# KiCad board SuperClockMatrix.kicad_pcb
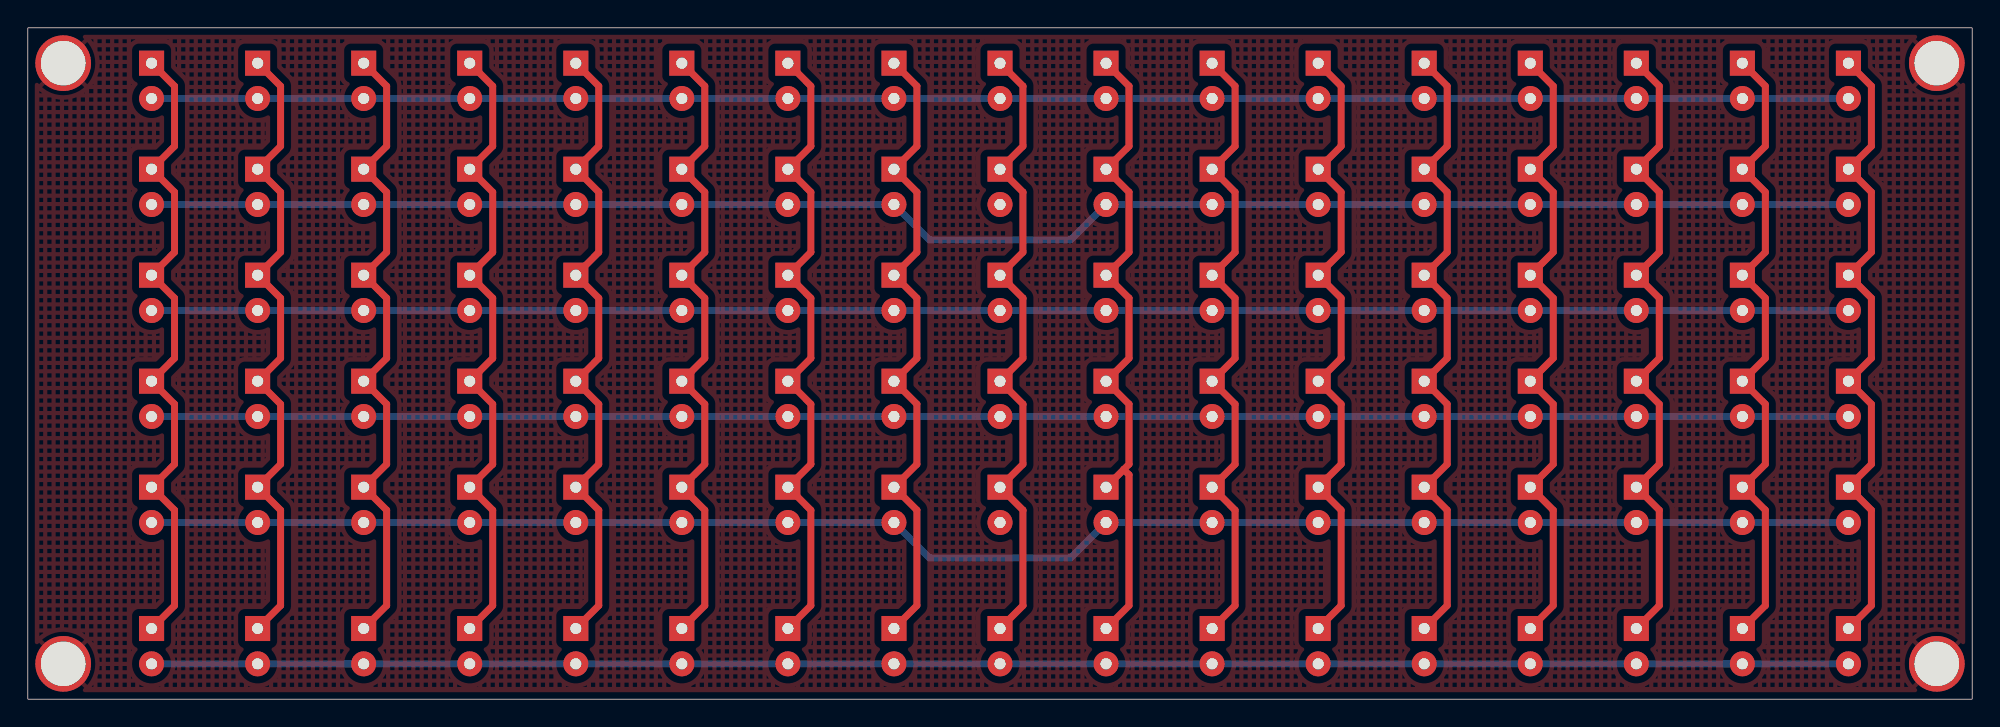
[diagram p0: board, top side]
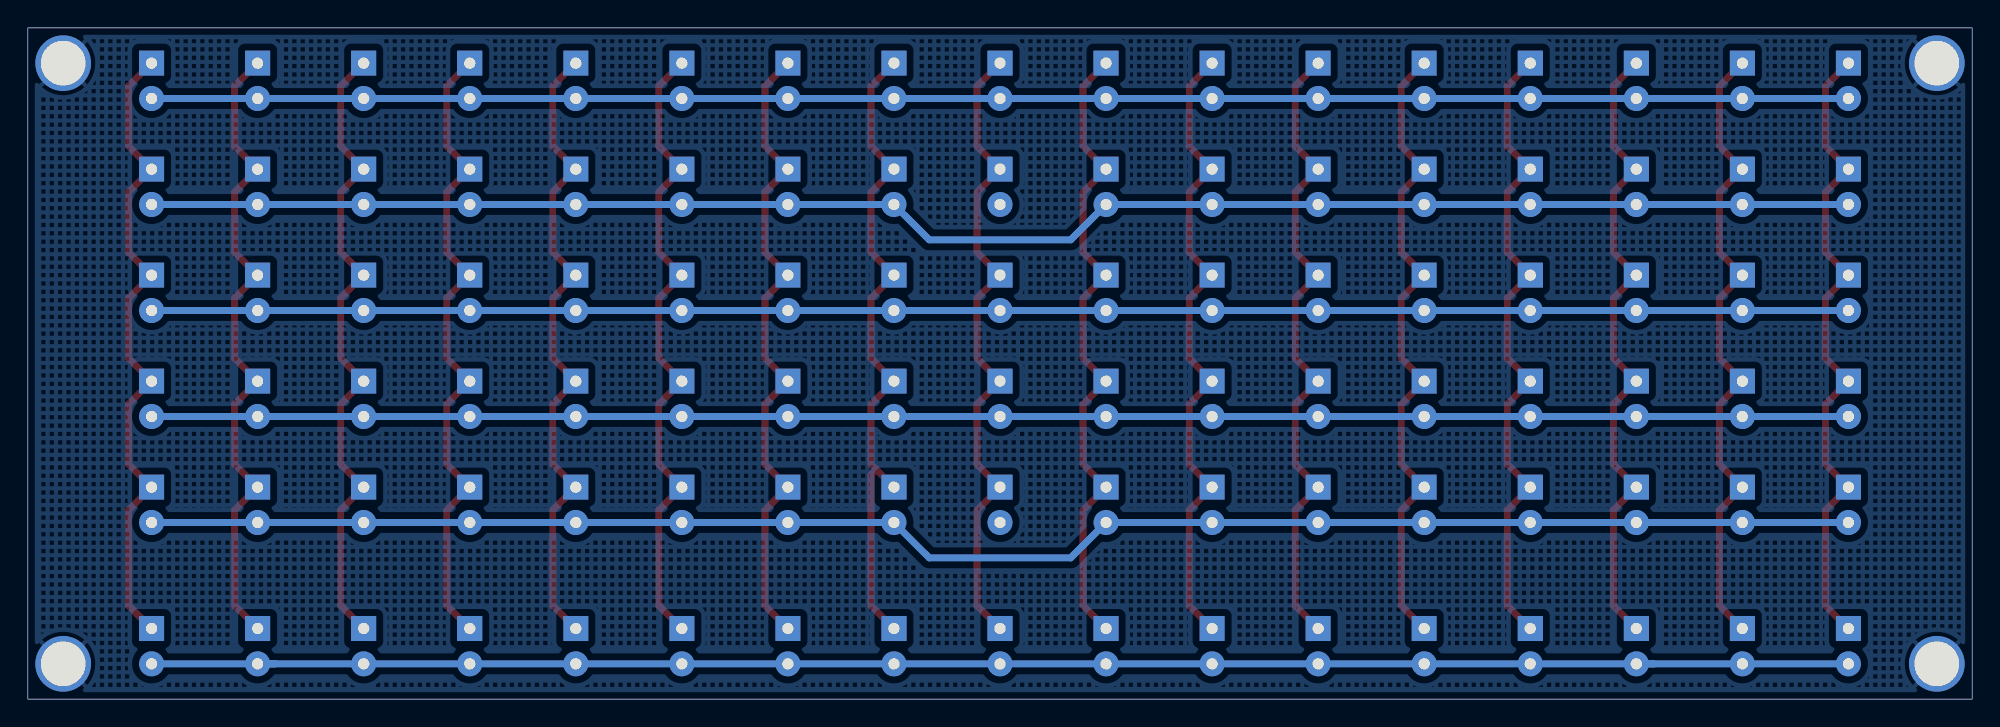
[diagram p1: board, bottom side, seen from below]

Outline 139.7 x 48.26 mm; copper layers: Top, Bottom. Coordinates in mm from the lower left corner of the outline.
Outline path: rectangle 0,48.26 139.7,0

## Placement (name value [footprint] x y rotation side)
D1  LED  [LED_D5.0mm_no_silkscreen_red]  8.89 45.72 270 top
D2  LED  [LED_D5.0mm_no_silkscreen_red]  8.89 38.1 270 top
D3  LED  [LED_D5.0mm_no_silkscreen_red]  8.89 30.48 270 top
D4  LED  [LED_D5.0mm_no_silkscreen_red]  8.89 22.86 270 top
D5  LED  [LED_D5.0mm_no_silkscreen_red]  8.89 15.24 270 top
D6  LED  [LED_D5.0mm_no_silkscreen_green]  8.89 5.08 270 top
D7  LED  [LED_D5.0mm_no_silkscreen_red]  16.51 45.72 270 top
D8  LED  [LED_D5.0mm_no_silkscreen_red]  16.51 38.1 270 top
D9  LED  [LED_D5.0mm_no_silkscreen_red]  16.51 30.48 270 top
D10  LED  [LED_D5.0mm_no_silkscreen_red]  16.51 22.86 270 top
D11  LED  [LED_D5.0mm_no_silkscreen_red]  16.51 15.24 270 top
D12  LED  [LED_D5.0mm_no_silkscreen_green]  16.51 5.08 270 top
D13  LED  [LED_D5.0mm_no_silkscreen_red]  24.13 45.72 270 top
D14  LED  [LED_D5.0mm_no_silkscreen_red]  24.13 38.1 270 top
D15  LED  [LED_D5.0mm_no_silkscreen_red]  24.13 30.48 270 top
D16  LED  [LED_D5.0mm_no_silkscreen_red]  24.13 22.86 270 top
D17  LED  [LED_D5.0mm_no_silkscreen_red]  24.13 15.24 270 top
D18  LED  [LED_D5.0mm_no_silkscreen_green]  24.13 5.08 270 top
D19  LED  [LED_D5.0mm_no_silkscreen_red]  31.75 45.72 270 top
D20  LED  [LED_D5.0mm_no_silkscreen_red]  31.75 38.1 270 top
D21  LED  [LED_D5.0mm_no_silkscreen_red]  31.75 30.48 270 top
D22  LED  [LED_D5.0mm_no_silkscreen_red]  31.75 22.86 270 top
D23  LED  [LED_D5.0mm_no_silkscreen_red]  31.75 15.24 270 top
D24  LED  [LED_D5.0mm_no_silkscreen_green]  31.75 5.08 270 top
D25  LED  [LED_D5.0mm_no_silkscreen_red]  39.37 45.72 270 top
D26  LED  [LED_D5.0mm_no_silkscreen_red]  39.37 38.1 270 top
D27  LED  [LED_D5.0mm_no_silkscreen_red]  39.37 30.48 270 top
D28  LED  [LED_D5.0mm_no_silkscreen_red]  39.37 22.86 270 top
D29  LED  [LED_D5.0mm_no_silkscreen_red]  39.37 15.24 270 top
D30  LED  [LED_D5.0mm_no_silkscreen_green]  39.37 5.08 270 top
D31  LED  [LED_D5.0mm_no_silkscreen_red]  46.99 45.72 270 top
D32  LED  [LED_D5.0mm_no_silkscreen_red]  46.99 38.1 270 top
D33  LED  [LED_D5.0mm_no_silkscreen_red]  46.99 30.48 270 top
D34  LED  [LED_D5.0mm_no_silkscreen_red]  46.99 22.86 270 top
D35  LED  [LED_D5.0mm_no_silkscreen_red]  46.99 15.24 270 top
D36  LED  [LED_D5.0mm_no_silkscreen_green]  46.99 5.08 270 top
D37  LED  [LED_D5.0mm_no_silkscreen_red]  54.61 45.72 270 top
D38  LED  [LED_D5.0mm_no_silkscreen_red]  54.61 38.1 270 top
D39  LED  [LED_D5.0mm_no_silkscreen_red]  54.61 30.48 270 top
D40  LED  [LED_D5.0mm_no_silkscreen_red]  54.61 22.86 270 top
D41  LED  [LED_D5.0mm_no_silkscreen_red]  54.61 15.24 270 top
D42  LED  [LED_D5.0mm_no_silkscreen_green]  54.61 5.08 270 top
D43  LED  [LED_D5.0mm_no_silkscreen_red]  62.23 22.86 270 top
D44  LED  [LED_D5.0mm_no_silkscreen_red]  62.23 15.24 270 top
D45  LED  [LED_D5.0mm_no_silkscreen_green]  62.23 5.08 270 top
D46  LED  [LED_D5.0mm_no_silkscreen_red]  62.23 45.72 270 top
D47  LED  [LED_D5.0mm_no_silkscreen_red]  62.23 38.1 270 top
D48  LED  [LED_D5.0mm_no_silkscreen_red]  62.23 30.48 270 top
D49  LED  [LED_D5.0mm_no_silkscreen_red]  69.85 45.72 270 top
D50  LED  [LED_D5.0mm_no_silkscreen_yellow]  69.85 38.1 270 top
D51  LED  [LED_D5.0mm_no_silkscreen_red]  69.85 30.48 270 top
D52  LED  [LED_D5.0mm_no_silkscreen_red]  69.85 22.86 270 top
D53  LED  [LED_D5.0mm_no_silkscreen_yellow]  69.85 15.24 270 top
D54  LED  [LED_D5.0mm_no_silkscreen_green]  69.85 5.08 270 top
D55  LED  [LED_D5.0mm_no_silkscreen_red]  77.47 15.24 270 top
D56  LED  [LED_D5.0mm_no_silkscreen_green]  77.47 5.08 270 top
D57  LED  [LED_D5.0mm_no_silkscreen_red]  77.47 22.86 270 top
D58  LED  [LED_D5.0mm_no_silkscreen_red]  77.47 45.72 270 top
D59  LED  [LED_D5.0mm_no_silkscreen_red]  77.47 38.1 270 top
D60  LED  [LED_D5.0mm_no_silkscreen_red]  77.47 30.48 270 top
D61  LED  [LED_D5.0mm_no_silkscreen_red]  85.09 45.72 270 top
D62  LED  [LED_D5.0mm_no_silkscreen_red]  85.09 38.1 270 top
D63  LED  [LED_D5.0mm_no_silkscreen_red]  85.09 30.48 270 top
D64  LED  [LED_D5.0mm_no_silkscreen_red]  85.09 22.86 270 top
D65  LED  [LED_D5.0mm_no_silkscreen_red]  85.09 15.24 270 top
D66  LED  [LED_D5.0mm_no_silkscreen_green]  85.09 5.08 270 top
D67  LED  [LED_D5.0mm_no_silkscreen_red]  92.71 45.72 270 top
D68  LED  [LED_D5.0mm_no_silkscreen_red]  92.71 38.1 270 top
D69  LED  [LED_D5.0mm_no_silkscreen_red]  92.71 30.48 270 top
D70  LED  [LED_D5.0mm_no_silkscreen_red]  92.71 22.86 270 top
D71  LED  [LED_D5.0mm_no_silkscreen_red]  92.71 15.24 270 top
D72  LED  [LED_D5.0mm_no_silkscreen_green]  92.71 5.08 270 top
D73  LED  [LED_D5.0mm_no_silkscreen_red]  100.33 45.72 270 top
D74  LED  [LED_D5.0mm_no_silkscreen_red]  100.33 38.1 270 top
D75  LED  [LED_D5.0mm_no_silkscreen_red]  100.33 30.48 270 top
D76  LED  [LED_D5.0mm_no_silkscreen_red]  100.33 22.86 270 top
D77  LED  [LED_D5.0mm_no_silkscreen_red]  100.33 15.24 270 top
D78  LED  [LED_D5.0mm_no_silkscreen_green]  100.33 5.08 270 top
D79  LED  [LED_D5.0mm_no_silkscreen_red]  107.95 45.72 270 top
D80  LED  [LED_D5.0mm_no_silkscreen_red]  107.95 38.1 270 top
D81  LED  [LED_D5.0mm_no_silkscreen_red]  107.95 30.48 270 top
D82  LED  [LED_D5.0mm_no_silkscreen_red]  107.95 22.86 270 top
D83  LED  [LED_D5.0mm_no_silkscreen_red]  107.95 15.24 270 top
D84  LED  [LED_D5.0mm_no_silkscreen_green]  107.95 5.08 270 top
D85  LED  [LED_D5.0mm_no_silkscreen_red]  115.57 45.72 270 top
D86  LED  [LED_D5.0mm_no_silkscreen_red]  115.57 38.1 270 top
D87  LED  [LED_D5.0mm_no_silkscreen_red]  115.57 30.48 270 top
D88  LED  [LED_D5.0mm_no_silkscreen_red]  115.57 22.86 270 top
D89  LED  [LED_D5.0mm_no_silkscreen_red]  115.57 15.24 270 top
D90  LED  [LED_D5.0mm_no_silkscreen_green]  115.57 5.08 270 top
D91  LED  [LED_D5.0mm_no_silkscreen_red]  123.19 45.72 270 top
D92  LED  [LED_D5.0mm_no_silkscreen_red]  123.19 38.1 270 top
D93  LED  [LED_D5.0mm_no_silkscreen_red]  123.19 30.48 270 top
D94  LED  [LED_D5.0mm_no_silkscreen_red]  123.19 22.86 270 top
D95  LED  [LED_D5.0mm_no_silkscreen_red]  123.19 15.24 270 top
D96  LED  [LED_D5.0mm_no_silkscreen_green]  123.19 5.08 270 top
D97  LED  [LED_D5.0mm_no_silkscreen_red]  130.81 45.72 270 top
D98  LED  [LED_D5.0mm_no_silkscreen_red]  130.81 38.1 270 top
D99  LED  [LED_D5.0mm_no_silkscreen_red]  130.81 30.48 270 top
D100  LED  [LED_D5.0mm_no_silkscreen_red]  130.81 22.86 270 top
D101  LED  [LED_D5.0mm_no_silkscreen_red]  130.81 15.24 270 top
D102  LED  [LED_D5.0mm_no_silkscreen_green]  130.81 5.08 270 top
H1  MountingHole_Pad  [MountingHole_3.2mm_M3_SmallPad]  2.54 45.72 0 top
H2  MountingHole_Pad  [MountingHole_3.2mm_M3_SmallPad]  2.54 2.54 0 top
H3  MountingHole_Pad  [MountingHole_3.2mm_M3_SmallPad]  137.16 2.54 0 top
H4  MountingHole_Pad  [MountingHole_3.2mm_M3_SmallPad]  137.16 45.72 0 top

## Library data of the parts
D1-D102 = -: Description: Light emitting diode; ki_fp_filters: LED* LED_SMD:* LED_THT:*
H1-H4 = -: Description: Mounting Hole with connection; ki_fp_filters: MountingHole*Pad*

## Footprints (pads in the part's own frame, mm; a bottom-side part is the same pattern mirrored in y, then rotated)
LED_D5.0mm_no_silkscreen_green
  rect 1.8x1.8 hole 0.8: 1(0,0)
  round 1.8 hole 0.8: 2(2.54,0)
LED_D5.0mm_no_silkscreen_red
  rect 1.8x1.8 hole 0.8: 1(0,0)
  round 1.8 hole 0.8: 2(2.54,0)
LED_D5.0mm_no_silkscreen_yellow
  rect 1.8x1.8 hole 0.8: 1(0,0)
  round 1.8 hole 0.8: 2(2.54,0)
MountingHole_3.2mm_M3_SmallPad
  round 4 hole 3.2: 1(0,0)

## Nets
GND: H1.1 H2.1 H3.1 H4.1
/LED_A0_RED: D1.2 D7.2 D13.2 D19.2 D25.2 D31.2 D37.2 D46.2 D49.2 D58.2 D61.2 D67.2 D73.2 D79.2 D85.2 D91.2 D97.2
/LED_A1_RED: D2.2 D8.2 D14.2 D20.2 D26.2 D32.2 D38.2 D47.2 D59.2 D62.2 D68.2 D74.2 D80.2 D86.2 D92.2 D98.2
/LED_A2_RED: D3.2 D9.2 D15.2 D21.2 D27.2 D33.2 D39.2 D48.2 D51.2 D60.2 D63.2 D69.2 D75.2 D81.2 D87.2 D93.2 D99.2
/LED_A3_RED: D4.2 D10.2 D16.2 D22.2 D28.2 D34.2 D40.2 D43.2 D52.2 D57.2 D64.2 D70.2 D76.2 D82.2 D88.2 D94.2 D100.2
/LED_A4_RED: D5.2 D11.2 D17.2 D23.2 D29.2 D35.2 D41.2 D44.2 D55.2 D65.2 D71.2 D77.2 D83.2 D89.2 D95.2 D101.2
/LED_A5_GREEN: D6.2 D12.2 D18.2 D24.2 D30.2 D36.2 D42.2 D45.2 D54.2 D56.2 D66.2 D72.2 D78.2 D84.2 D90.2 D96.2 D102.2
/LED_A6_YELLOW: D50.2
/LED_A7_YELLOW: D53.2
/LED_C0: D1.1 D2.1 D3.1 D4.1 D5.1 D6.1
/LED_C1: D7.1 D8.1 D9.1 D10.1 D11.1 D12.1
/LED_C2: D13.1 D14.1 D15.1 D16.1 D17.1 D18.1
/LED_C3: D19.1 D20.1 D21.1 D22.1 D23.1 D24.1
/LED_C4: D25.1 D26.1 D27.1 D28.1 D29.1 D30.1
/LED_C5: D31.1 D32.1 D33.1 D34.1 D35.1 D36.1
/LED_C6: D37.1 D38.1 D39.1 D40.1 D41.1 D42.1
/LED_C7: D43.1 D44.1 D45.1 D46.1 D47.1 D48.1
/LED_C8: D49.1 D50.1 D51.1 D52.1 D53.1 D54.1
/LED_C9: D55.1 D56.1 D57.1 D58.1 D59.1 D60.1
/LED_C10: D61.1 D62.1 D63.1 D64.1 D65.1 D66.1
/LED_C11: D67.1 D68.1 D69.1 D70.1 D71.1 D72.1
/LED_C12: D73.1 D74.1 D75.1 D76.1 D77.1 D78.1
/LED_C13: D79.1 D80.1 D81.1 D82.1 D83.1 D84.1
/LED_C14: D85.1 D86.1 D87.1 D88.1 D89.1 D90.1
/LED_C15: D91.1 D92.1 D93.1 D94.1 D95.1 D96.1
/LED_C16: D97.1 D98.1 D99.1 D100.1 D101.1 D102.1

## Routing (per net, layer and track width the routed paths; a pad name or vN(x,y) marks a point on that pad's centre or on a via; arc(x,y) is an arc through that point)
/LED_A0_RED: length 124.5
  Bottom w0.5: 114.3,43.18 D91.2 D97.2 ; 114.3,43.18 D85.2 ; 114.3,43.18 D79.2 D73.2 D67.2 D61.2 D58.2 D49.2 D46.2 D37.2 D31.2 D25.2 D19.2 22.86,43.18 ; 22.86,43.18 D13.2 ; 22.86,43.18 D7.2 D1.2
/LED_A1_RED: length 125.3
  Bottom w0.5: D98.2 D92.2 D86.2 D80.2 99.06,35.56 ; 99.06,35.56 D74.2 ; 99.06,35.56 D68.2 D62.2 D59.2 74.93,33.02 64.77,33.02 D47.2 D38.2 D32.2 D26.2 D20.2 D14.2 D8.2 D2.2
/LED_A2_RED: length 123.2
  Bottom w0.5: D3.2 15.24,27.94 ; 15.24,27.94 D9.2 ; 15.24,27.94 D15.2 D21.2 D27.2 D33.2 D39.2 D48.2 D51.2 D60.2 D63.2 D69.2 D75.2 D81.2 D87.2 D93.2 D99.2
/LED_A3_RED: length 124.5
  Bottom w0.5: 114.3,20.32 D94.2 D100.2 ; 114.3,20.32 106.68,20.32 ; 114.3,20.32 D88.2 ; 106.68,20.32 D82.2 ; 106.68,20.32 D76.2 D70.2 D64.2 D57.2 D52.2 D43.2 D40.2 D34.2 D28.2 D22.2 D16.2 D10.2 D4.2
/LED_A4_RED: length 126.6
  Bottom w0.5: D101.2 D95.2 D89.2 D83.2 D77.2 D71.2 D65.2 D55.2 74.93,10.16 64.77,10.16 D44.2 D41.2 D35.2 D29.2 30.48,12.7 ; D5.2 15.24,12.7 ; 15.24,12.7 D11.2 ; 15.24,12.7 D17.2 30.48,12.7 ; 30.48,12.7 D23.2
/LED_A5_GREEN: length 124.5
  Bottom w0.5: 22.86,2.54 D24.2 D30.2 D36.2 D42.2 D45.2 D54.2 D56.2 D66.2 D72.2 D78.2 D84.2 D90.2 121.92,2.54 ; 22.86,2.54 D12.2 D6.2 ; 22.86,2.54 D18.2 ; 121.92,2.54 D102.2 ; 121.92,2.54 D96.2
/LED_C0: length 47.5
  Top w0.5: D1.1 10.54,44.07 10.54,39.75 D2.1 10.54,36.45 10.54,32.13 D3.1 10.54,28.83 10.54,24.51 D4.1 10.54,21.21 10.54,16.89 D5.1 10.54,13.59 10.54,6.73 D6.1
/LED_C1: length 47.5
  Top w0.5: D12.1 18.16,6.73 18.16,13.59 D11.1 18.16,16.89 18.16,21.21 D10.1 18.16,24.51 18.16,28.83 D9.1 18.16,32.13 18.16,36.45 D8.1 18.16,39.75 18.16,44.07 D7.1
/LED_C2: length 47.5
  Top w0.5: D18.1 25.78,6.73 25.78,13.59 D17.1 25.78,16.89 25.78,21.21 D16.1 25.78,24.51 25.78,28.83 D15.1 25.78,32.13 25.78,36.45 D14.1 25.78,39.75 25.78,44.07 D13.1
/LED_C3: length 47.5
  Top w0.5: D19.1 33.4,44.07 33.4,39.75 D20.1 33.4,36.45 33.4,32.13 D21.1 33.4,28.83 33.4,24.51 D22.1 33.4,21.21 33.4,16.89 D23.1 33.4,13.59 33.4,6.73 D24.1
/LED_C4: length 47.5
  Top w0.5: D30.1 41.02,6.73 41.02,13.59 D29.1 41.02,16.89 41.02,21.21 D28.1 41.02,24.51 41.02,28.83 D27.1 41.02,32.13 41.02,36.45 D26.1 41.02,39.75 41.02,44.07 D25.1
/LED_C5: length 47.5
  Top w0.5: D31.1 48.64,44.07 48.64,39.75 D32.1 48.64,36.45 48.64,32.13 D33.1 48.64,28.83 48.64,24.51 D34.1 48.64,21.21 48.64,16.89 D35.1 48.64,13.59 48.64,6.73 D36.1
/LED_C6: length 47.5
  Top w0.5: D42.1 56.26,6.73 56.26,13.59 D41.1 56.26,16.89 56.26,21.21 D40.1 56.26,24.51 56.26,28.83 D39.1 56.26,32.13 56.26,36.45 D38.1 56.26,39.75 56.26,44.07 D37.1
/LED_C7: length 47.5
  Top w0.5: D45.1 63.88,6.73 63.88,13.59 D44.1 63.88,16.89 63.88,21.21 D43.1 63.88,24.51 63.88,28.83 D48.1 63.88,32.13 63.88,36.45 D47.1 63.88,39.75 63.88,44.07 D46.1
/LED_C8: length 47.5
  Top w0.5: D49.1 71.5,44.07 71.5,39.75 D50.1 71.5,36.45 71.5,32.13 D51.1 71.5,28.83 71.5,24.51 D52.1 71.5,21.21 71.5,16.89 D53.1 71.5,13.59 71.5,6.73 D54.1
/LED_C9: length 48.2
  Top w0.5: 78.74,16.51 79.12,16.13 79.12,6.73 D56.1 ; 78.74,16.51 D55.1 ; 78.74,16.51 79.12,16.89 79.12,21.21 D57.1 79.12,24.51 79.12,28.83 D60.1 79.12,32.13 79.12,36.45 D59.1 79.12,39.75 79.12,44.07 D58.1
/LED_C10: length 47.5
  Top w0.5: D61.1 86.74,44.07 86.74,39.75 D62.1 86.74,36.45 86.74,32.13 D63.1 86.74,28.83 86.74,24.51 D64.1 86.74,21.21 86.74,16.89 D65.1 86.74,13.59 86.74,6.73 D66.1
/LED_C11: length 47.5
  Top w0.5: D67.1 94.36,44.07 94.36,39.75 D68.1 94.36,36.45 94.36,32.13 D69.1 94.36,28.83 94.36,24.51 D70.1 94.36,21.21 94.36,16.89 D71.1 94.36,13.59 94.36,6.73 D72.1
/LED_C12: length 47.5
  Top w0.5: D78.1 101.98,6.73 101.98,13.59 D77.1 101.98,16.89 101.98,21.21 D76.1 101.98,24.51 101.98,28.83 D75.1 101.98,32.13 101.98,36.45 D74.1 101.98,39.75 101.98,44.07 D73.1
/LED_C13: length 47.5
  Top w0.5: D79.1 109.6,44.07 109.6,39.75 D80.1 109.6,36.45 109.6,32.13 D81.1 109.6,28.83 109.6,24.51 D82.1 109.6,21.21 109.6,16.89 D83.1 109.6,13.59 109.6,6.73 D84.1
/LED_C14: length 47.5
  Top w0.5: D85.1 117.22,44.07 117.22,39.75 D86.1 117.22,36.45 117.22,32.13 D87.1 117.22,28.83 117.22,24.51 D88.1 117.22,21.21 117.22,16.89 D89.1 117.22,13.59 117.22,6.73 D90.1
/LED_C15: length 47.5
  Top w0.5: D96.1 124.84,6.73 124.84,13.59 D95.1 124.84,16.89 124.84,21.21 D94.1 124.84,24.51 124.84,28.83 D93.1 124.84,32.13 124.84,36.45 D92.1 124.84,39.75 124.84,44.07 D91.1
/LED_C16: length 47.5
  Top w0.5: D97.1 132.46,44.07 132.46,39.75 D98.1 132.46,36.45 132.46,32.13 D99.1 132.46,28.83 132.46,24.51 D100.1 132.46,21.21 132.46,16.89 D101.1 132.46,13.59 132.46,6.73 D102.1

## Copper pours and planes (outline as drawn; the poured copper is in the pictures)
GND on Top, Bottom: 0,48.26 139.7,48.26 139.7,0 0,0
